# KiCad board power-module.kicad_pcb
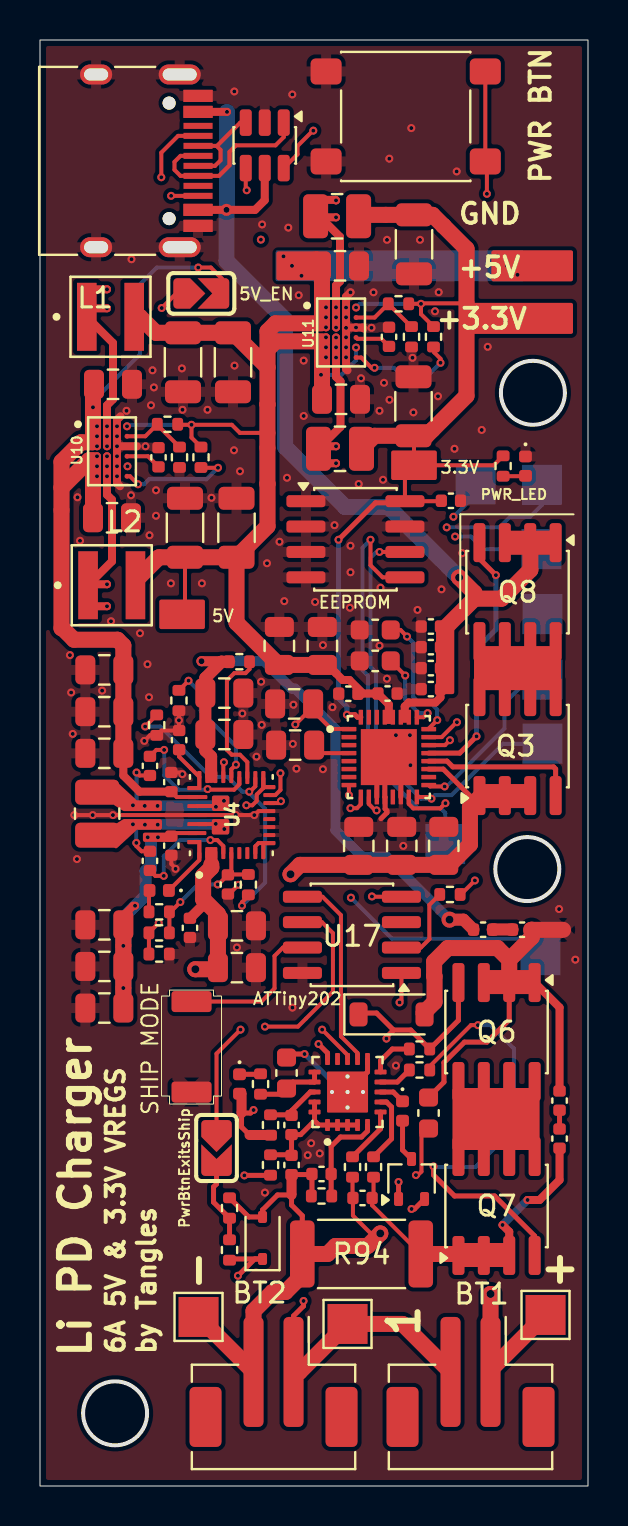
[diagram p0: board, top side]
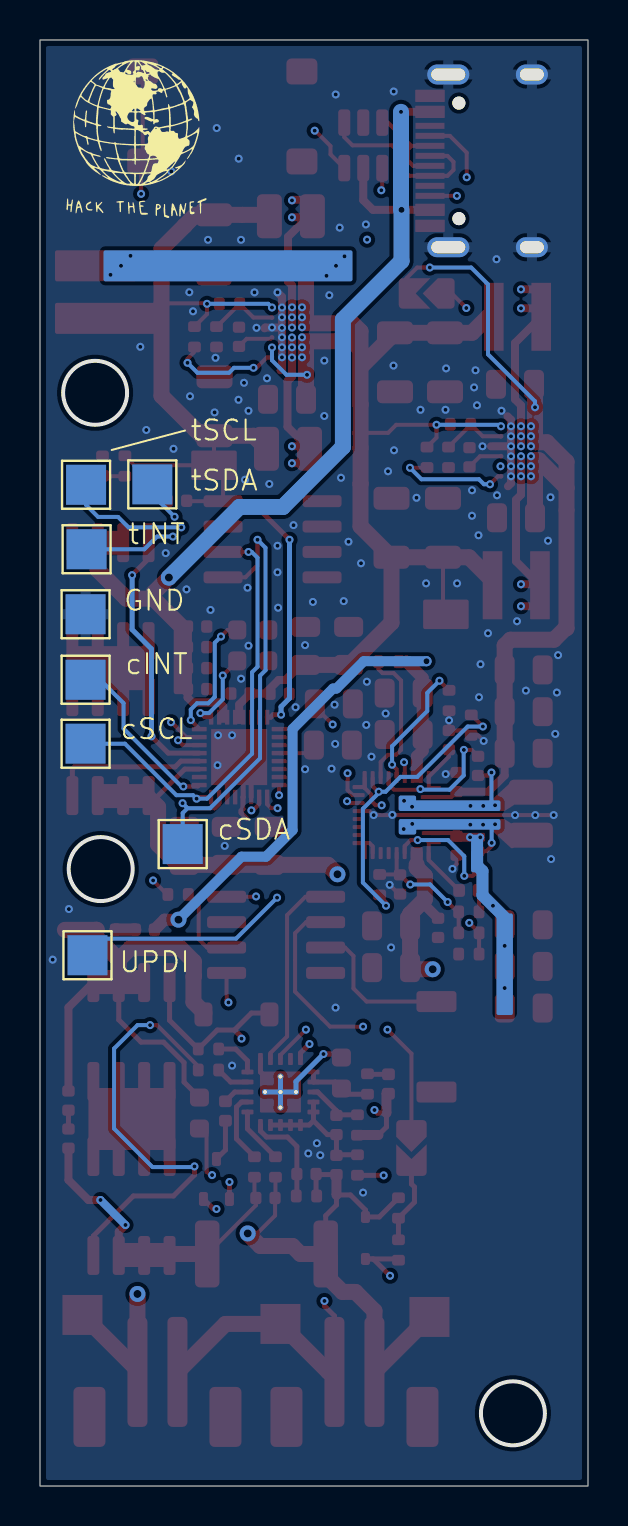
[diagram p1: board, bottom side, seen from below]

Outline 27.4 x 72.32 mm; copper layers: Top, In1.Cu, In2.Cu, Bottom. Coordinates in mm from the lower left corner of the outline.
Outline path: rectangle 0,72.32 27.4,0 ; circle c3.75,3.64 r1.6 ; circle c24.37,30.86 r1.6 ; circle c24.65,54.67 r1.6
Stack: Top 0.035mm / dielectric 0.1mm FR4 er 4.5 / In1.Cu 0.035mm / dielectric 1.24mm FR4 er 4.5 / In2.Cu 0.035mm / dielectric 0.1mm FR4 er 4.5 / Bottom 0.035mm

## Placement (name value [footprint] x y rotation side)
BT1  Battery_Cell  [JST_PH_B2B-PH-SM4-TB_1x02-1MP_P2.00mm_Vertical]  21.53 5.2 180 top
BT2  Battery_Cell  [JST_PH_B2B-PH-SM4-TB_1x02-1MP_P2.00mm_Vertical]  11.68 5.2 180 top
C54  22uF  [C_0805_2012Metric]  3.65 55.1 180 top
C55  22uF  [C_0805_2012Metric]  3.6 48.42 180 top
C56  47uF  [C_1206_3216Metric]  7.15 56.2 90 top
C57  47uF  [C_1206_3216Metric]  7.25 47.92 270 top
C58  47uF  [C_1206_3216Metric]  9.65 56.2 90 top
C59  47uF  [C_1206_3216Metric]  9.83 47.92 270 top
C60  3.3nF  [C_0402_1005Metric]  5.93 51.45 270 top
C61  22uF  [C_0805_2012Metric]  15.05 54.35 180 top
C62  22uF  [C_0805_2012Metric]  15 61.03 180 top
C63  3.3nF  [C_0402_1005Metric]  17.45 57.48 270 top
C64  47uF  [C_1206_3216Metric]  18.68 54 270 top
C65  47uF  [C_1206_3216Metric]  18.7 62.1 90 top
C76  4.7uF  [C_0402_1005Metric]  9.4 30.09 90 top
C77  47nF  [C_0402_1005Metric]  5.5 31.27 90 top
C84  2.2uF  [C_0603_1608Metric]  12.33 20.66 270 top
C85  220nF  [C_0402_1005Metric]  12.58 18.06 90 top
C86  220nF  [C_0402_1005Metric]  12.58 16.06 90 top
C87  220nF  [C_0402_1005Metric]  14.08 15.61 0 top
C88  100nF  [C_0402_1005Metric]  16.13 14.41 180 top
C89  100nF  [C_0402_1005Metric]  25.98 17.38 270 top
C90  100nF  [C_0402_1005Metric]  25.98 19.28 270 top
C91  100nF  [C_0402_1005Metric]  24.11 27.83 0 top
C92  100nF  [C_0402_1005Metric]  22.16 27.83 0 top
C93  47nF  [C_0402_1005Metric]  5.5 36.02 270 top
C94  1nF  [C_0402_1005Metric]  6.96 37.31 90 top
C95  10uF  [C_0805_2012Metric]  9.22 39.66 0 top
C96  10uF  [C_0805_2012Metric]  9.22 37.59 180 top
C97  10uF  [C_0805_2012Metric]  3.22 28.06 180 top
C98  10uF  [C_0805_2012Metric]  3.22 25.98 0 top
C99  10uF  [C_0805_2012Metric]  3.22 23.91 0 top
C100  100nF  [C_0402_1005Metric]  6.57 32.03 270 top
C101  100nF  [C_0402_1005Metric]  7.5 27.92 270 top
C102  10uF  [C_0805_2012Metric]  9.85 28.02 0 top
C103  10uF  [C_0805_2012Metric]  9.85 25.92 180 top
C104  10uF  [C_0805_2012Metric]  12.71 39.12 180 top
C105  10uF  [C_0805_2012Metric]  12.76 37.06 180 top
C106  100nF  [C_0402_1005Metric]  19.54 41.95 180 top
C107  100nF  [C_0402_1005Metric]  6.57 35.2 90 top
C108  10uF  [C_0805_2012Metric]  3.22 40.81 0 top
C109  10uF  [C_0805_2012Metric]  3.22 38.73 0 top
C110  10uF  [C_0805_2012Metric]  3.22 36.64 0 top
C111  10uF  [C_0805_2012Metric]  20.19 32.02 90 top
C112  4.7uF  [C_0402_1005Metric]  19.54 42.98 180 top
C113  100nF  [C_0402_1005Metric]  19.54 40.91 180 top
C114  100nF  [C_0402_1005Metric]  19.54 39.86 180 top
C115  22uF  [C_0805_2012Metric]  18.09 32.02 90 top
C116  22uF  [C_0805_2012Metric]  15.94 32.02 90 top
C117  330pF  [C_0603_1608Metric]  16.76 42.81 0 top
C118  330pF  [C_0603_1608Metric]  16.76 41.27 0 top
C119  100nF  [C_0402_1005Metric]  15.42 39.62 180 top
C120  100nF  [C_0402_1005Metric]  17.38 39.64 0 top
C121  10uF  [C_0805_2012Metric]  11.97 42.02 90 top
C122  10uF  [C_0805_2012Metric]  14.12 42.02 90 top
C123  100nF  [C_0402_1005Metric]  20.55 49.28 0 top
D23  LED_0402  [LED_0402_1005Metric]  24.28 51.01 270 top
D30  RB161QS-40T18R  [D_0402_1005Metric]  9.98 20.11 270 top
D31  MMSZ4678T1G  [D_SOD-123]  17.58 23.59 0 top
D32  RB161QS-40T18R  [D_0402_1005Metric]  18.13 18.76 270 top
D33  MMSZ5246BS-7-F  [D_SOD-323]  11.13 12.41 90 top
D35  LED_0402  [LED_0402_1005Metric]  5.96 29.78 180 top
G***  LOGO  [hack-the-planet]  22.53 67.3 180 bottom
J13  USB_C_Receptacle_USB2.0_16P  [USB_C_Receptacle_HRO_TYPE-C-31-M-12]  3.86 66.28 270 top
K_79  ZX-QC66-4.3TP  [ZX-QC66-7.5TP]  18.28 68.5 180 top
K_85  TS-1088-AR02016  [BTN_SMD_4x3mm]  7.58 22.01 90 top
L1  1uH  [IND_XFL4020-102MEC]  3.53 58.48 0 top
L2  1uH  [IND_XFL4020-102MEC]  3.59 45.05 0 top
L3  1uH  [L_1008_2520Metric]  14.86 63.51 0 top
L4  1uH  [L_1008_2520Metric]  15 51.88 0 top
L6  1uH  [L_1008_2520Metric]  2.86 33.62 90 top
NT1  NetTie_2  [NetTie-2_SMD_Pad0.5mm]  10.08 19.16 270 top
NT2  NetTie_2  [NetTie-2_SMD_Pad0.5mm]  10.98 17.56 0 top
NT3  NetTie_2  [NetTie-2_SMD_Pad0.5mm]  12.58 15.06 90 top
NT6  NetTie_2  [NetTie-2_SMD_Pad0.5mm]  8.58 41.25 0 top
NT7  NetTie_2  [NetTie-2_SMD_Pad0.8mm]  25.36 27.81 180 top
Q2  CJ2101  [SOT-323_SC-70]  18.58 15.36 90 top
Q3  SI4174DY-T1-GE3_N-Channel_FET_SOIC-8  [SOIC-8_3.9x4.9mm_P1.27mm]  23.88 37.01 90 top
Q6  SI4174DY-T1-GE3_N-Channel_FET_SOIC-8  [SOIC-8_3.9x4.9mm_P1.27mm]  22.83 22.7 270 top
Q7  SI4174DY-T1-GE3_N-Channel_FET_SOIC-8  [SOIC-8_3.9x4.9mm_P1.27mm]  22.83 14.01 90 top
Q8  SI4174DY-T1-GE3_N-Channel_FET_SOIC-8  [SOIC-8_3.9x4.9mm_P1.27mm]  23.88 44.7 270 top
R24  30R  [R_0402_1005Metric]  23.16 51.01 270 top
R48  470K  [R_0402_1005Metric]  8.05 51.45 90 top
R49  430K  [R_0402_1005Metric]  6.38 53.1 0 top
R50  82K  [R_0402_1005Metric]  6.97 51.45 90 top
R51  470K  [R_0402_1005Metric]  19.68 57.48 90 top
R52  470K  [R_0402_1005Metric]  17.93 59.12 0 top
R53  150K  [R_0402_1005Metric]  18.58 57.48 90 top
R64  1K  [R_0402_1005Metric]  9.48 11.81 270 top
R66  1K  [R_0402_1005Metric]  20.5 29.59 180 top
R71  100R  [R_0402_1005Metric]  9.97 41.23 180 top
R72  6.04K  [R_0402_1005Metric]  6.95 39.28 90 top
R73  127K  [R_0402_1005Metric]  10.42 30.08 90 top
R74  100K  [R_0402_1005Metric]  5.84 38.06 90 top
R75  10K  [R_0402_1005Metric]  5.96 27.67 180 top
R85  5.1K  [R_0402_1005Metric]  18.98 20.81 180 top
R86  5.1K  [R_0402_1005Metric]  18.98 21.86 180 top
R87  10M  [C_0603_1608Metric]  19.43 18.66 270 top
R88  100R  [R_0402_1005Metric]  11.03 20.11 90 top
R89  10R  [R_0402_1005Metric]  11.53 18.06 270 top
R90  10R  [R_0402_1005Metric]  11.53 16.06 270 top
R91  10R  [R_0402_1005Metric]  14.08 14.51 180 top
R92  100R  [R_0402_1005Metric]  15.63 15.95 90 top
R93  100R  [R_0402_1005Metric]  16.68 15.95 270 top
R94  1m  [R_2512_6332Metric]  16.08 11.61 180 top
R95  10K  [R_0402_1005Metric]  9.48 13.91 90 top
R96  10K  [R_0402_1005Metric]  5.96 26.61 0 top
R97  3.3K  [R_0402_1005Metric]  5.96 28.72 0 top
SJ9  5V_EN  [SOLDERJUMPER_ARROW_NOPASTE]  8.06 59.65 0 top
SJ14  SHP_OFF  [SOLDERJUMPER_ARROW_NOPASTE]  8.83 16.91 270 top
TP1  TestPoint_Small  [TestPoint_Pad_2.0x2.0mm]  25.28 8.56 270 top
TP2  TestPoint_Small  [TestPoint_Pad_2.0x2.0mm]  15.38 8.11 270 top
TP3  TestPoint_Small  [TestPoint_Pad_2.0x2.0mm]  25.12 43.6 180 bottom
TP4  TestPoint_Small  [TestPoint_Pad_2.0x2.0mm]  25.03 26.55 180 bottom
TP5  TestPoint_Small  [TestPoint_Pad_2.0x2.0mm]  7.93 8.45 270 top
TP6  TestPoint_Small  [TestPoint_Pad_2.0x2.0mm]  25.07 46.85 180 bottom
TP7  TestPoint_Small  [TestPoint_Pad_2.0x2.0mm]  21.78 50.09 180 bottom
TP8  TestPoint_Small  [TestPoint_Pad_2.0x2.0mm]  25.1 50.08 180 bottom
TP10  TestPoint_Small  [TestPoint_Pad_2.0x2.0mm]  25.12 37.12 90 bottom
TP11  TestPoint_Small  [TestPoint_Pad_2.0x2.0mm]  20.27 32.11 90 bottom
TP12  TestPoint_Small  [TestPoint_Pad_2.0x2.0mm]  25.12 40.33 90 bottom
U4  -  [BQ25792RQMR]  9.57 33.56 90 top
U10  TPS62180YZFR  [BGA24N50P4X6_310X210X62N]  3.6 51.75 0 top
U11  TPS62180YZFR  [BGA24N50P4X6_310X210X62N]  15.05 57.69 0 top
U14  USBLC6-2SC6  [SOT-23-6]  11.24 67.05 270 top
U16  BQ76905RGRR  [IC_BQ76905RGRR]  15.38 19.7 90 top
U17  ATtiny202-SS  [SOIC-8_3.9x4.9mm_P1.27mm]  15.6 27.56 180 top
U18  -  [TPS25751SRSMR]  17.44 36.45 0 top
U22  AT24CS01-SSHM  [SOIC-8_3.9x4.9mm_P1.27mm]  15.77 47.35 0 top

## Library data of the parts
BT1 BT2 = -: Description: Single-cell battery; LCSC: C7433663
C54 C55 C61 C62 = -: Description: Unpolarized capacitor; LCSC: C6119899; ki_fp_filters: C_*
C56-C59 C64 C65 = -: Description: Unpolarized capacitor; LCSC: C5448950; ki_fp_filters: C_*
C60 C63 = -: Description: Unpolarized capacitor; LCSC: C1536; ki_fp_filters: C_*
C76 C112 = -: Description: Unpolarized capacitor, small symbol; LCSC: C23733; MPN: CL05A475MP5NRNC; ki_fp_filters: C_*
C77 C93 = -: Description: Unpolarized capacitor, small symbol; LCSC: C1538; ki_fp_filters: C_*
C84 = -: Description: Unpolarized capacitor, small symbol; LCSC: C23630; ki_fp_filters: C_*
C85-C87 = -: Description: Unpolarized capacitor, small symbol; LCSC: C16772; ki_fp_filters: C_*
C88-C92 C100 C101 C106 C107 C113 C114 C119 C120 C123 = -: Description: Unpolarized capacitor, small symbol; LCSC: C1525; ki_fp_filters: C_*
C94 = -: Description: Unpolarized capacitor, small symbol; LCSC: C1523; ki_fp_filters: C_*
C95-C99 C102-C105 C108-C111 C121 C122 = -: Description: Unpolarized capacitor, small symbol; LCSC: C15850; ki_fp_filters: C_*
C115 C116 = -: Description: Unpolarized capacitor, small symbol; LCSC: C6119899; ki_fp_filters: C_*
C117 C118 = -: Description: Unpolarized capacitor, small symbol; LCSC: C1664; ki_fp_filters: C_*
D23 = -: Description: Light emitting diode; Sim.Pins: 1=K 2=A; LCSC: C41366936; Description_1: PWR_LED; ki_fp_filters: LED* LED_SMD:* LED_THT:*
D30 D32 = -: Description: Schottky diode; LCSC: C2837790; ki_fp_filters: TO-???* *_Diode_* *SingleDiode* D_*
D31 = -: Description: Zener diode; LCSC: C36599; Sim.Device: D; Sim.Pins: 1=K 2=A; ki_fp_filters: TO-???* *_Diode_* *SingleDiode* D_*
D33 = -: Description: Zener diode; LCSC: C151819; Sim.Device: D; Sim.Pins: 1=K 2=A; ki_fp_filters: TO-???* *_Diode_* *SingleDiode* D_*
D35 = -: Description: Light emitting diode; Sim.Pins: 1=K 2=A; LCSC: C41366936; Description_1: CHG_LED; ki_fp_filters: LED* LED_SMD:* LED_THT:*
J13 = -: Datasheet: https://www.usb.org/sites/default/files/documents/usb_type-c.zip; Description: USB 2.0-only 16P Type-C Receptacle connector; LCSC: C165948; Description_1: USB 2.0; ki_fp_filters: USB*C*Receptacle*
K_79 = -: Description: Push button switch, generic, two pins; Description_1: PWR_BTN; LCSC: C7470150
K_85 = -: Description: Push button switch, generic, two pins; Description_1: SHIP MODE; LCSC: C720477
L1 L2 = -: Description: Inductor; LCSC: C5355380; ki_fp_filters: Choke_* *Coil* Inductor_* L_*
L3 L4 L6 = -: Description: Inductor; LCSC: C882955; ki_fp_filters: Choke_* *Coil* Inductor_* L_*
NT1-NT3 NT6 NT7 = -: Description: Net tie, 2 pins; ki_fp_filters: Net*Tie*
Q2 = -: Description: Depletion-mode P-channel MOSFET; LCSC: C52641
Q3 Q6-Q8 = -: Description: Depletion-mode N-channel MOSFET, drain/gate/source; LCSC: C144929
R24 = -: Description: Resistor, small symbol; LCSC: C1091; ki_fp_filters: R_*
R48 R51 R52 = -: Description: Resistor; LCSC: C177264; ki_fp_filters: R_*
R49 = -: Description: Resistor; LCSC: C131588; ki_fp_filters: R_*
R50 = -: Description: Resistor; LCSC: C4142; ki_fp_filters: R_*
R53 = -: Description: Resistor; LCSC: C25755; ki_fp_filters: R_*
R64 R66 = -: Description: Resistor; LCSC: C11702; ki_fp_filters: R_*
R71 R88 R92 R93 = -: Description: Resistor; LCSC: C25076; ki_fp_filters: R_*
R72 = -: Description: Resistor; LCSC: C25913; ki_fp_filters: R_*
R73 = -: Description: Resistor; LCSC: C5126094; ki_fp_filters: R_*
R74 = -: Description: Resistor; LCSC: C25741; ki_fp_filters: R_*
R75 R96 = -: Description: Resistor, small symbol; LCSC: C25744; ki_fp_filters: R_*
R85 R86 = -: Description: Resistor; LCSC: C25905; ki_fp_filters: R_*
R87 = -: Description: Resistor; LCSC: C7250; ki_fp_filters: R_*
R89-R91 = -: Description: Resistor; LCSC: C25077; ki_fp_filters: R_*
R94 = -: Description: Resistor, small symbol; LCSC: C19270875; ki_fp_filters: R_*
R95 = -: Description: Resistor; LCSC: C25744; ki_fp_filters: R_*
R97 = -: Description: Resistor; LCSC: C25890; ki_fp_filters: R_*
SJ14 = -: Desc: PwrBtnExitsShip
TP1-TP8 TP10-TP12 = -: Description: test point; ki_fp_filters: Pin* Test*
U4 = -: MF: Texas Instruments; MAXIMUM_PACKAGE_HEIGHT: 1 mm; Package: VFQFN-29 Texas Instruments; Price: None; Check_prices: https://www.snapeda.com/parts/BQ25792RQMR/Texas+Instruments/view-part/?ref=eda; STANDARD: Manufacturer Recommendations; PARTREV: 11/2019; SnapEDA_Link: https://www.snapeda.com/parts/BQ25792RQMR/Texas+Instruments/view-part/?ref=snap; Description_1: I2C controlled, 5-A, 1-4 cell buck-boost charger with dual-input selector and USB PD 3.0 OTG output; Availability: In Stock; MANUFACTURER: Texas Instruments; LCSC: C2862876
U10 U11 = -: MF: Texas Instruments; MAXIMUM_PACKAGE_HEIGHT: 0.625 mm; Package: DSBGA-24 Texas Instruments; Price: None; Check_prices: https://www.snapeda.com/parts/TPS62180YZFR/Texas+Instruments/view-part/?ref=eda; STANDARD: Manufacturer recommendations; PARTREV: B; SnapEDA_Link: https://www.snapeda.com/parts/TPS62180YZFR/Texas+Instruments/view-part/?ref=snap; Description_1: 4-V to 15-V, 6-A synchronous buck converter with power good, 1% accuracy, and adjustable soft start; Availability: In Stock; MANUFACTURER: Texas Instruments; LCSC: C2071394
U14 = -: Datasheet: https://www.st.com/resource/en/datasheet/usblc6-2.pdf; Description: Very low capacitance ESD protection diode, 2 data-line, SOT-23-6; LCSC: C2827654; JlcRotOffset: -90; ki_fp_filters: SOT?23*
U16 = -: MF: Texas Instruments; MAXIMUM_PACKAGE_HEIGHT: 1mm; Package: VFQFN-20 Texas Instruments; Price: None; Check_prices: https://www.snapeda.com/parts/BQ76905RGRR/Texas+Instruments/view-part/?ref=eda; STANDARD: Manufacturer Recommendations; PARTREV: November 2023; SnapEDA_Link: https://www.snapeda.com/parts/BQ76905RGRR/Texas+Instruments/view-part/?ref=snap; Description_1: Battery Monitoring/Protection Li-FePO4/Li-Ion/Li-Pol/LTO -25V to 27.5V T/R; Availability: In Stock; MANUFACTURER: Texas Instruments; LCSC: C22394458
U17 = -: Datasheet: http://ww1.microchip.com/downloads/en/DeviceDoc/ATtiny202-402-AVR-MCU-with-Core-Independent-Peripherals_and-picoPower-40001969A.pdf; Description: 20MHz, 2kB Flash, 128B SRAM, 64B EEPROM, SOIC-8; ki_fp_filters: SOIC*3.9x4.9mm*P1.27mm*
U18 = -: Description: USB-C PD Controller with Integrated Power Switches; LCSC: C22460852
U22 = -: Datasheet: http://ww1.microchip.com/downloads/en/DeviceDoc/Atmel-8815-SEEPROM-AT24CS01-02-Datasheet.pdf; Description: I2C Serial EEPROM, 1Kb (128x8) with Unique Serial Number, SO8; LCSC: C12371; ki_fp_filters: SOIC*3.9x4.9mm*P1.27mm*

## Footprints (pads in the part's own frame, mm; a bottom-side part is the same pattern mirrored in y, then rotated)
BGA24N50P4X6_310X210X62N
  round 0.245 smd: A1(-0.75,1.25) A2(-0.25,1.25) A3(0.25,1.25) A4(0.75,1.25) B1(-0.75,0.75) B2(-0.25,0.75) B3(0.25,0.75) B4(0.75,0.75) C1(-0.75,0.25) C2(-0.25,0.25) C3(0.25,0.25) C4(0.75,0.25) D1(-0.75,-0.25) D2(-0.25,-0.25) D3(0.25,-0.25) D4(0.75,-0.25) E1(-0.75,-0.75) E2(-0.25,-0.75) E3(0.25,-0.75) E4(0.75,-0.75) F1(-0.75,-1.25) F2(-0.25,-1.25) F3(0.25,-1.25) F4(0.75,-1.25)
BQ25792RQMR
  custom 0.96x0.71 smd: 1(-1.9,1.6) 24(1.863,1.6)
  rrect 0.6x0.2 smd: 2(-1.9,1.2) 3(-1.9,0.8) 4(-1.9,0.4) 5(-1.9,0) 6(-1.9,-0.4) 7(-1.9,-0.8) 8(-1.9,-1.2) 20(1.9,0) 21(1.9,0.4) 22(1.9,0.8) 23(1.9,1.2)
  custom 0.91x0.71 smd: 9(-1.4,-1.85) 16(1.85,-1.6)
  rrect 0.2x0.6 smd: 10(-1,-1.9) 11(-0.6,-1.9) 12(-0.2,-1.9) 13(0.2,-1.9) 14(0.6,-1.9) 15(1,-1.9)
  rrect 0.7x0.2 smd: 17(1.85,-1.2)
  rrect 0.65x0.2 smd: 18(1.875,-0.8)
  rrect 0.68x0.2 smd: 19(1.863,-0.4)
  rrect 0.2x1 smd: 25(0.9,1.7) 26(0.45,1.7) 27(0,1.7) 28(-0.45,1.7)
  rrect 0.2x0.95 smd: 29(-0.9,1.725)
BTN_SMD_4x3mm
  rrect 1.05x2 smd: 1(2.225,0) 2(-2.3,0)
C_0402_1005Metric
  rrect 0.56x0.62 smd: 1(-0.48,0) 2(0.48,0)
C_0603_1608Metric
  rrect 0.9x0.95 smd: 1(-0.775,0) 2(0.775,0)
C_0805_2012Metric
  rrect 1x1.45 smd: 1(-0.95,0) 2(0.95,0)
C_1206_3216Metric
  rrect 1.15x1.8 smd: 1(-1.475,0) 2(1.475,0)
D_0402_1005Metric
  rrect 0.59x0.64 smd: 1(-0.485,0) 2(0.485,0)
D_SOD-123
  rrect 0.9x1.2 smd: 1(-1.65,0) 2(1.65,0)
D_SOD-323
  rrect 0.6x0.45 smd: 1(-1.05,0) 2(1.05,0)
IC_BQ76905RGRR
  rrect 0.6x0.24 smd: 1(-1.65,1) 2(-1.65,0.5) 3(-1.65,0) 4(-1.65,-0.5) 5(-1.65,-1) 11(1.65,-1) 12(1.65,-0.5) 13(1.65,0) 14(1.65,0.5) 15(1.65,1)
  rrect 0.24x0.6 smd: 6(-1,-1.65) 7(-0.5,-1.65) 8(0,-1.65) 9(0.5,-1.65) 10(1,-1.65) 16(1,1.65) 17(0.5,1.65) 18(0,1.65) 19(-0.5,1.65) 20(-1,1.65)
  round 0.3 hole 0.2: 21(-0.775,0) 21(0,0.775) 21(0,0) 21(0,-0.775) 21(0.775,0)
  rrect 2.05x2.05 smd: 21(0,0)
IND_XFL4020-102MEC
  rect 0.98x3.4 smd: 1(-1.185,0) 2(1.185,0)
JST_PH_B2B-PH-SM4-TB_1x02-1MP_P2.00mm_Vertical
  rrect 1x5.5 smd: 1(-1,-0.5) 2(1,-0.5)
  rrect 1.6x3 smd: MP(-3.4,1.75) MP(3.4,1.75)
L_1008_2520Metric
  rrect 1.25x2.2 smd: 1(-1.075,0) 2(1.075,0)
LED_0402_1005Metric
  rrect 0.59x0.64 smd: 1(-0.485,0) 2(0.485,0)
NetTie-2_SMD_Pad0.5mm
  round 0.5 smd: 1(-0.5,0) 2(0.5,0)
NetTie-2_SMD_Pad0.8mm
  round 0.8 smd: 1(-0.8,0) 2(0.8,0)
R_0402_1005Metric
  rrect 0.54x0.64 smd: 1(-0.51,0) 2(0.51,0)
R_2512_6332Metric
  rrect 1.225x3.35 smd: 1(-2.962,0) 2(2.962,0)
SOIC-8_3.9x4.9mm_P1.27mm
  rrect 1.95x0.6 smd: 1(-2.475,1.905) 2(-2.475,0.635) 3(-2.475,-0.635) 4(-2.475,-1.905) 5(2.475,-1.905) 6(2.475,-0.635) 7(2.475,0.635) 8(2.475,1.905)
SOLDERJUMPER_ARROW_NOPASTE
  custom 1.598x1.524 smd: 1(-1.016,0)
  custom 1.584x1.524 smd: 2(1.016,0)
SOT-23-6
  rrect 1.325x0.6 smd: 1(-1.137,0.95) 2(-1.137,0) 3(-1.137,-0.95) 4(1.137,-0.95) 5(1.137,0) 6(1.137,0.95)
SOT-323_SC-70
  rrect 0.7x0.45 smd: 1(-1,0.65) 2(-1,-0.65) 3(1,0)
TestPoint_Pad_2.0x2.0mm
  rect 2x2 smd: 1(0,0)
TPS25751SRSMR
  rrect 0.74x0.22 smd: 1(-1.995,1.4) 2(-1.995,1) 3(-1.995,0.6) 4(-1.995,0.2) 5(-1.995,-0.2) 6(-1.995,-0.6) 7(-1.995,-1) 8(-1.995,-1.4) 17(1.995,-1.4) 18(1.995,-1) 19(1.995,-0.6) 20(1.995,-0.2) 21(1.995,0.2) 22(1.995,0.6) 23(1.995,1) 24(1.995,1.4)
  rrect 0.22x0.74 smd: 9(-1.4,-1.995) 10(-1,-1.995) 11(-0.6,-1.995) 12(-0.2,-1.995) 13(0.2,-1.995) 14(0.6,-1.995) 15(1,-1.995) 16(1.4,-1.995) 25(1.4,1.995) 26(1,1.995) 27(0.6,1.995) 28(0.2,1.995) 29(-0.2,1.995) 30(-0.6,1.995) 31(-1,1.995) 32(-1.4,1.995)
  rect 2.8x2.8 smd: 33(0,0)
USB_C_Receptacle_HRO_TYPE-C-31-M-12
  round 0.65 hole 0.65 unplated: (-2.89,2.6) (2.89,2.6)
  rect 0.6x1.45 smd: A1(-3.25,4.045) A4(-2.45,4.045) A9(2.45,4.045) A12(3.25,4.045) B1(3.25,4.045) B4(2.45,4.045) B9(-2.45,4.045) B12(-3.25,4.045)
  rect 0.3x1.45 smd: A5(-1.25,4.045) A6(-0.25,4.045) A7(0.25,4.045) A8(1.25,4.045) B5(1.75,4.045) B6(0.75,4.045) B7(-0.75,4.045) B8(-1.75,4.045)
  oval 1x2.1 hole 0.6x1.7: S1(-4.32,3.13) S1(4.32,3.13)
  oval 1x1.6 hole 0.6x1.2: S1(-4.32,-1.05) S1(4.32,-1.05)
ZX-QC66-7.5TP
  rrect 1.55x1.3 smd: 1(-3.98,2.25) 1(-3.98,-2.25) 2(3.98,2.25) 2(3.98,-2.25)
